# Altium PCB CarrierMotherboard.PcbDoc (part 4 of 6) (continued)
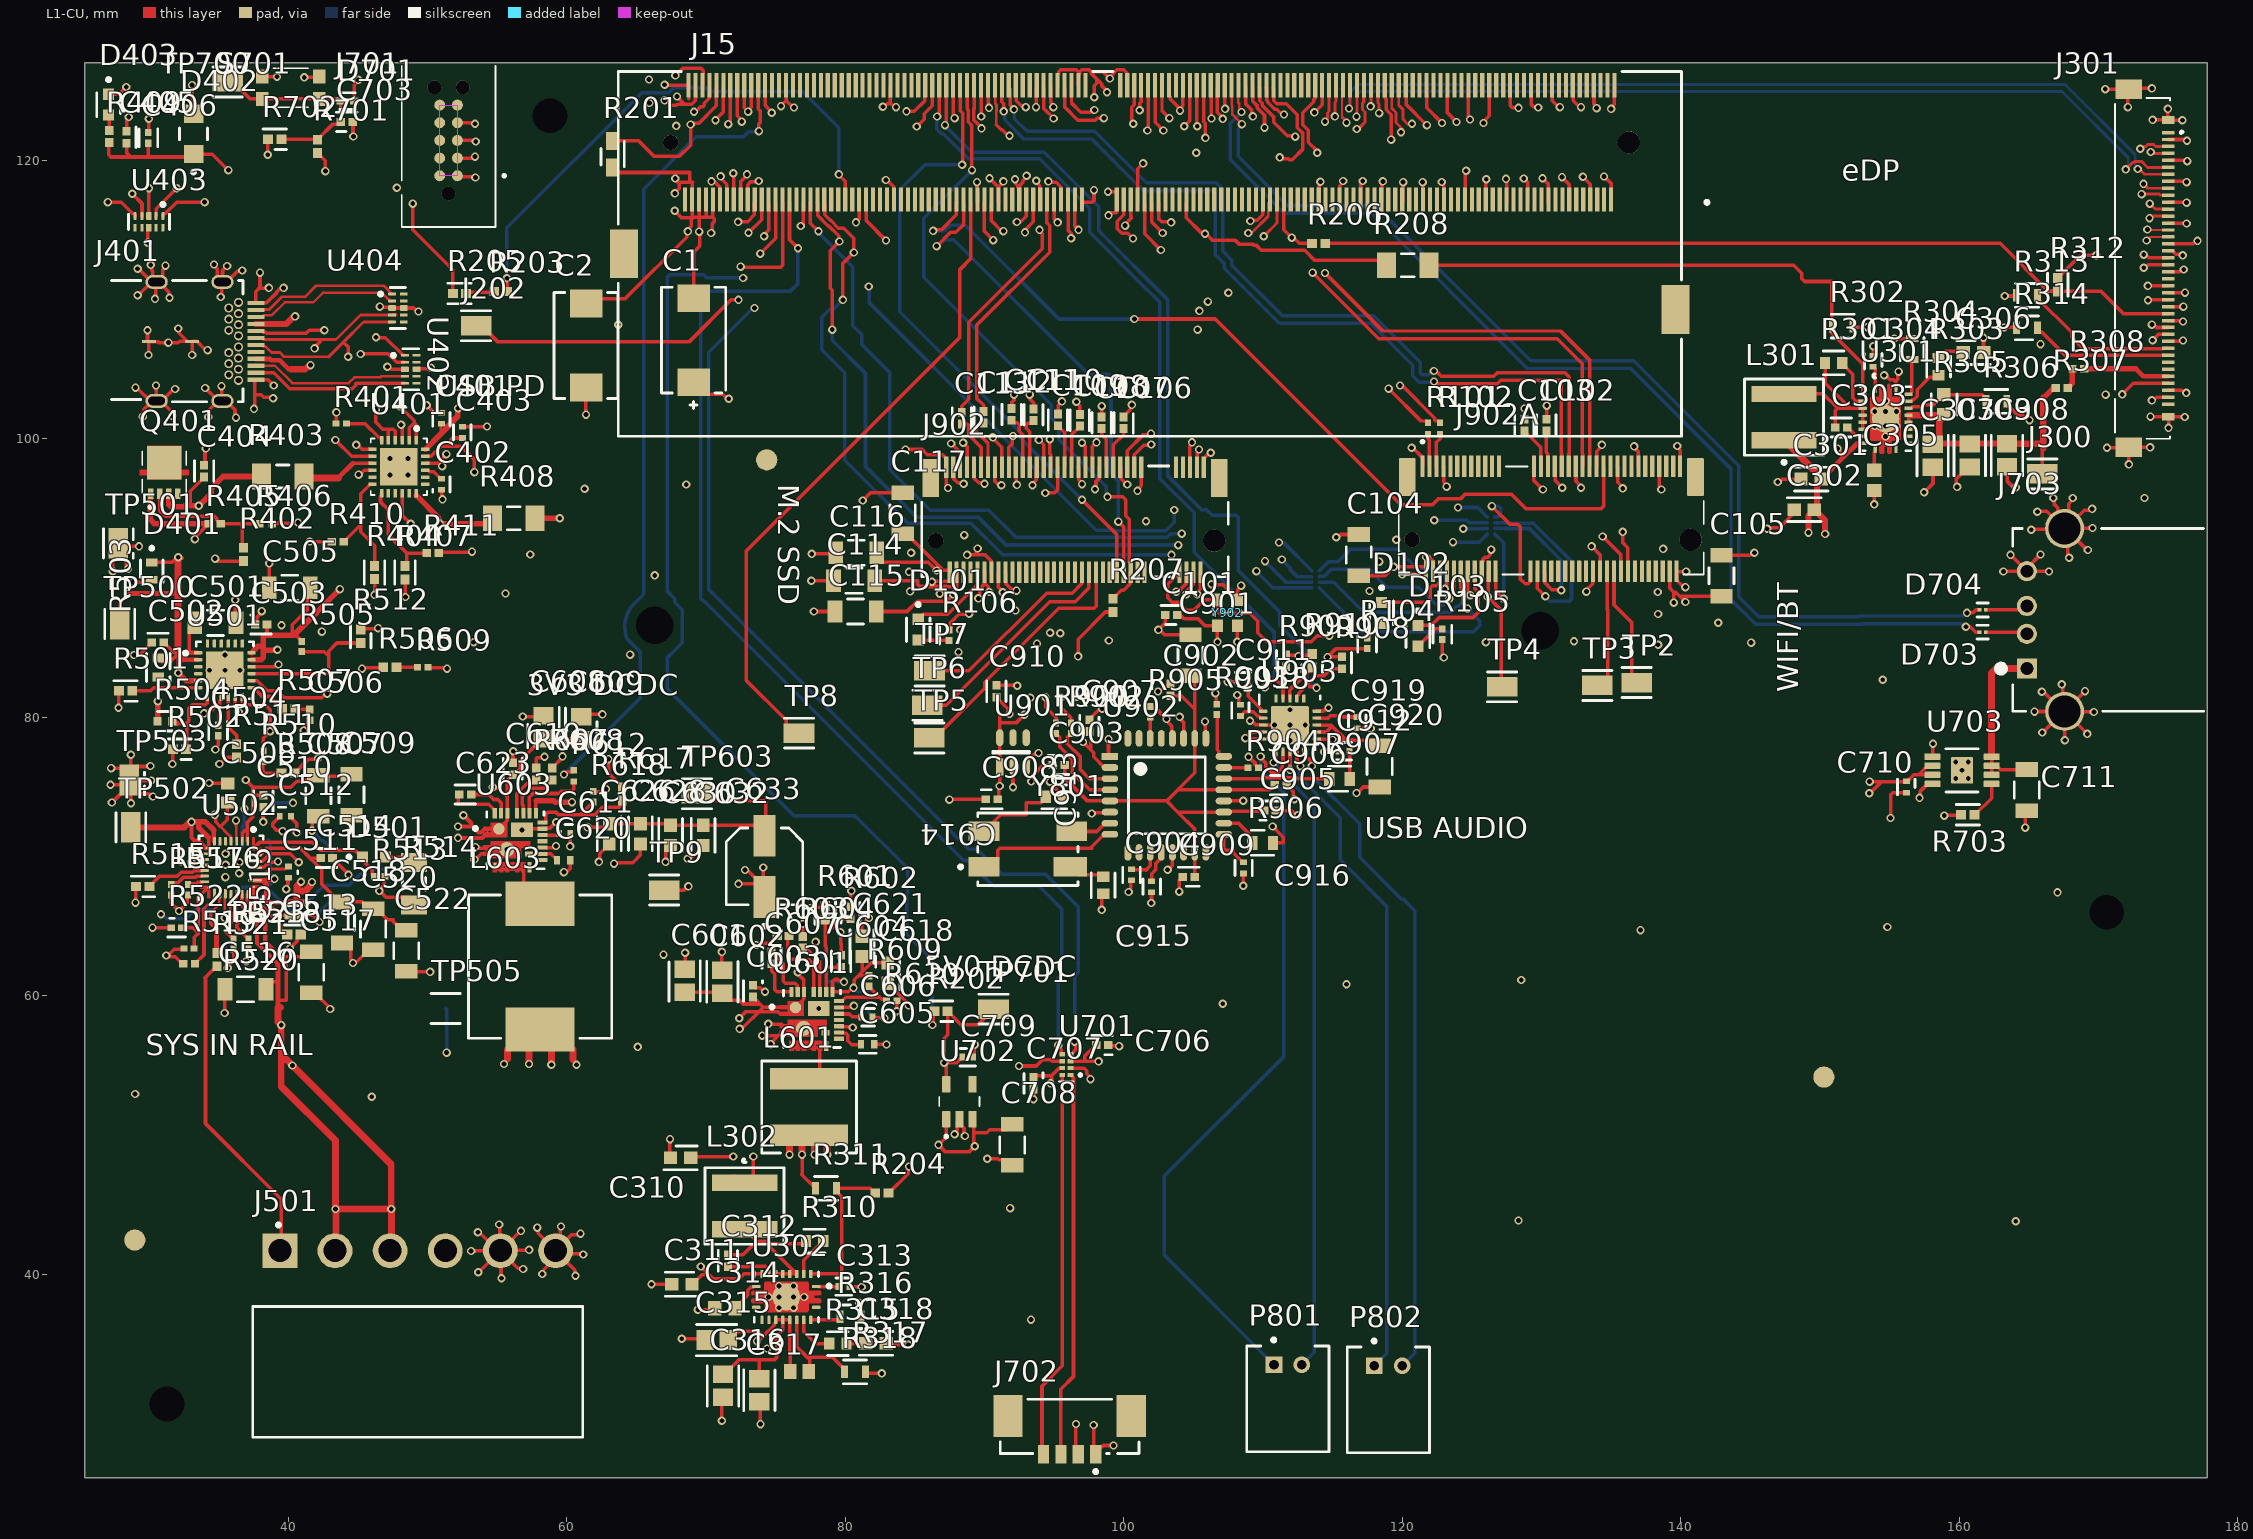
[diagram p0: L1-CU view]
## Nets (pads, with @x,y where several pads share a name; then routed paths per layer and width w, separated by ;. In a path a pad name is that pad's centre, name@x,y a point inside that pad or via, vN(x,y) a via of type N, cw(c..) or ccw(c..) an arc to the next point about the centre after c; other vN are vias at no path point) (continued)
; J15.55@121.75,125.2 121.75,123.792 v1(122.86,122.682) ; v1(122.839,118.449) 122.839,118.356 122.977,118.217 J15.50@122.977,117.023 ; J902A.7@122.958,98.034 122.976,98.015 122.976,96.878 123.19,96.664 v1(123.19,96.571) ; J15.49@123.25,125.2 123.25,123.409 v1(123.901,122.758) ; J15.44@124.5,117 124.523,117.023 124.523,119.189 v1(124.587,119.253) ; J15.43@124.75,125.2 124.75,123.146 124.866,123.03 v1(124.866,122.936) ; J902A.18@125.708,90.484 125.708,91.109 125.801,91.202 125.801,91.352 125.964,91.516 126.171,91.516 126.324,91.669 126.324,91.983 v1(126.39,92.05) ; v1(125.832,122.682) 125.832,122.776 126.25,123.194 J15.37@126.25,125.2 ; J15.38@126,117 126,118.609 v1(126.035,118.643) ; v1(127.457,118.669) 127.5,118.626 J15.32@127.5,117 ; J15.31@127.75,125.2 127.75,123.944 127.899,123.795 128.325,123.795 v1(128.346,123.774) ; v1(128.727,118.694) 129,118.421 J15.26@129,117 ; J15.25@129.25,125.2 129.25,124.015 129.399,123.866 129.702,123.866 v1(129.769,123.8) ; J902A.33@129.458,98.034 129.458,97.009 v1(130.099,96.368) ; v1(130.073,118.72) 130.5,118.293 J15.20@130.5,117 ; J15.19@130.75,125.2 130.773,125.177 130.773,124.289 131.237,123.825 v1(131.318,123.825) ; J902A.39@130.958,98.034 130.981,98.011 130.981,97.01 v1(131.496,96.495) ; v1(131.47,118.796) 132,118.266 J15.14@132,117 ; J15.13@132.25,125.2 132.273,125.177 132.273,124.289 132.67,123.891 132.776,123.891 v1(132.842,123.825) ; J902A.45@132.458,98.034 132.481,98.011 132.481,96.95 132.842,96.588 v1(132.842,96.495) ; v1(132.969,118.821) 133.5,118.29 J15.8@133.5,117 ; J15.7@133.75,125.2 133.773,125.177 133.773,124.029 133.96,123.842 v1(133.96,123.749) ; J902A.51@133.958,98.034 133.981,98.057 133.981,99.114 134.341,99.474 v1(134.341,99.568) ; v1(134.493,118.847) 135,118.34 J15.2@135,117 ; v1(135.001,123.698) 135.001,123.792 135.227,124.018 135.227,125.177 J15.1@135.25,125.2 ; J902A.57@135.458,98.034 135.481,98.011 135.481,96.896 135.839,96.537 v1(135.839,96.444) ; v1(136.652,99.466) 136.652,99.373 136.935,99.09 136.935,98.057 J902A.63@136.958,98.034 ; J902A.69@138.458,98.034 138.458,96.611 138.608,96.461 v1(138.608,96.368) ; v1(139.751,99.492) 139.751,99.398 139.958,99.191 J902A.75@139.958,98.034 ; 143.764,91.643 144.986,91.643 145.164,91.821 v1(145.288,91.821) ; v1(146.202,93.548) 146.256,93.602 147.066,93.602 C302.2@148.121,94.657 ; v1(146.964,96.901) 147.088,96.901 147.302,97.115 C301.2@148.64,97.115 ; C302.2@148.133,94.646 C302.2@148.257,94.77 ; C304.2@153.823,105.973 v1(153.822,106.655) ; C305.1@153.885,96.303 153.899,96.289 v1(153.899,95.301) ; v1(154.61,104.572) 154.703,104.572 155.029,104.246 155.306,104.246 155.455,104.097 ; v1(155.067,72.771) 155.067,74.451 155.216,74.6 C710.2@156.2,74.6 ; v1(155.346,107.213) 155.352,107.207 156.61,107.207 R304.1@156.616,107.201 ; U301.20@155.461,103.598 155.455,103.604 155.455,104.097 ; v1(155.651,104.826) 155.585,104.76 155.585,104.285 155.455,104.155 155.455,104.097 ; v1(157.48,96.164) 158.116,96.801 158.116,97.931 C307.2@158.318,98.133 ; U703.1@158.075,77.175 158.115,77.215 v1(158.115,78.105) ; v1(159.85,96.55) 159.796,96.604 159.796,97.121 160.656,97.98 C309.2@160.757,97.98 ; v1(161.742,107.258) 161.742,106.205 C306.2@161.749,106.198 ; v1(163.17,90.475) 163.182,90.487 164.843,90.487 J703.4@164.856,90.5 ; v1(163.22,108.001) 164.096,108.001 R314.1@164.121,107.975 ; v1(163.271,110.261) 164.067,110.261 R313.1@164.113,110.307 ; R306.2@163.412,102.692 163.412,102.492 164.193,101.711 164.561,101.711 164.925,101.346 v1(165.049,101.346) ; C308.2@163.435,97.986 163.435,96.978 163.829,96.584 163.994,96.584 v1(164.06,96.518) ; v1(163.678,91.669) 163.683,91.669 J703.4@164.851,90.5 ; v1(164.744,72.085) 164.744,73.203 C711.2@164.846,73.304 ; J703.4@164.856,90.432 J703.4@164.856,90.5 ; v1(165.176,93.472) 165.225,93.521 166.942,93.521 167.005,93.584 167.552,93.584 J703.6@167.566,93.57 ; v1(165.405,80.416) 165.412,80.423 167.559,80.423 J703.5@167.566,80.43 ; v1(165.608,94.767) 165.64,94.8 166.277,94.8 167.005,94.072 J703.6@167.005,93.57 ; v1(165.837,91.697) 164.856,90.717 J703.4@164.856,90.5 ; v1(165.938,81.839) 166.048,81.839 167.347,80.54 J703.5@167.347,80.43 ; v1(165.964,78.918) 166.009,78.918 J703.5@167.434,80.343 ; v1(166.446,90.475) 166.434,90.487 164.869,90.487 J703.4@164.856,90.5 ; v1(166.751,95.758) 166.838,95.671 166.838,95.288 167.079,95.048 167.079,94.541 167.566,94.054 J703.6@167.566,93.57 ; v1(167.361,82.372) 167.448,82.285 J703.5@167.448,80.548 ; v1(167.589,78.359) 167.578,78.371 167.578,80.418 J703.5@167.566,80.43 ; J703.5@167.635,80.488 167.635,80.494 169.031,81.89 v1(169.037,81.89) ; v1(167.894,91.465) 167.807,91.553 167.807,93.329 J703.6@167.566,93.57 ; J703.6@167.941,93.945 167.865,94.021 167.865,95.351 168.148,95.634 v1(168.148,95.758) ; J703.6@167.997,93.889 168.991,94.883 169.458,94.883 v1(169.545,94.971) ; J703.6@168.206,93.57 168.206,92.995 169.176,92.024 v1(169.24,92.024) ; J703.6@168.206,93.584 169.556,93.584 v1(169.57,93.599) ; v1(169.189,78.816) 169.185,78.816 167.571,80.43 J703.5@167.566,80.43 ; v1(169.672,80.391) 169.653,80.41 167.586,80.41 J703.5@167.566,80.43 ; v1(170.485,125.12) 172.16,125.12 J301.S2@172.18,125.1 ; v1(170.612,99.365) 172.145,99.365 J301.S4@172.18,99.4 ; v1(172.11,123.825) 172.11,125.03 J301.S2@172.18,125.1 ; v1(172.187,98.171) 172.187,99.393 J301.S4@172.18,99.4 ; v1@173.533,110.973 173.56,111 J301.23@175,111 ; v1(173.558,109.957) 173.602,110 J301.25@175,110 ; v1(173.711,99.39) 172.19,99.39 J301.S4@172.18,99.4 ; v1(173.736,101.6) J301.S3@175,101.6 ; v1(173.838,102.768) 173.961,102.768 174.193,103 J301.39@175,103 ; v1(173.838,108.204) 173.961,108.204 174.165,108 J301.29@175,108 ; v1(173.838,125.171) 172.251,125.171 J301.S2@172.18,125.1 ; v1(173.888,107.086) 174.302,107.5 J301.30@175,107.5 ; v1(173.888,122.911) 173.894,122.905 174.995,122.905 J301.S1@175,122.9 ; v1(174.981,123.698) 174.981,122.919 J301.S1@175,122.9 ; J301.38@175,103.5 175.979,103.5 176.178,103.302 v1(176.301,103.302) ; J301.31@175,107 175.002,107.002 176.014,107.002 v1(176.073,107.061) ; J301.28@175,108.5 175.002,108.498 176.007,108.498 v1(176.073,108.433) ; J301.26@175,109.5 176.047,109.5 176.149,109.499 v1@176.174,109.474 ; J301.24@175,110.5 v1(176.215,110.5) v1@176.225,110.49 ; J301.17@175,114 176.767,114 176.99,114.224 v1(177.114,114.224) ; J301.14@175,115.5 176.295,115.5 v1(176.327,115.468) ; J301.11@175,117 176.294,117 v1(176.327,116.967) ; J301.8@175,118.5 176.267,118.5 v1(176.327,118.44) ; J301.5@175,120 176.316,120 v1@176.428,119.888 ; J301.2@175,121.5 176.264,121.5 v1(176.352,121.412) ; v1(175.031,100.787) J301.S3@175.031,101.452 ; J301.S3@175.148,101.452 175.283,101.587 176.187,101.587 v1(176.2,101.575) ; v1(176.022,122.885) 176.015,122.893 175.007,122.893 J301.S1@175,122.9 ; 75.26,57.21 75.722,57.673 ; J703.4@164.851,90.5 J703.4@164.856,90.5 ; J703.4@164.851,90.5 J703.4@164.856,90.5
  L8-CU w0.254: v1(30.865,65.862) 30.959,65.862 31.278,65.543 32.684,65.543 33.332,66.191 C523.2@34.492,66.191 ; C524.2@35.47,63.833 35.47,62.287 35.662,62.095 v1(35.662,62.001) ; C521.2@36.707,70.766 36.707,72.166 36.859,72.319 v1(36.859,73.431) ; C525.2@38.714,73.763 38.813,73.863 v1(40.339,73.863) ; v1(41.711,71.857) 42.414,71.153 42.516,71.153 43.153,70.516 C519.2@43.153,69.6 ; TP505.1@51.3,59.1 51.375,59.025 v1(51.375,55.925) ; v1(77.876,63.881) 77.943,63.815 77.943,63.269 78.715,62.497 C616.2@78.715,62.474 ; C619.2@81.7,58.832 81.7,58.809 82.029,58.48 82.644,58.48 82.725,58.399 v1(82.819,58.399) ; v1@81.712,65.505 v1(81.712,65.599)
  other v1: 93.345,36.754 75.247,37.605 76.297,37.605 74.497,38.38 75.247,38.38 76.297,38.38 77.047,38.38 75.247,39.155 76.297,39.155 164.059,43.815 128.346,43.866 91.846,44.755 45.999,52.756 29.007,52.959 65.1,56.337 78.1,59.098 107.112,59.436 116.002,60.833 128.549,61.138 66.954,62.967 137.109,64.719 154.838,64.948 29.036,66.7 167.056,67.437 35.488,68.529 36.474,68.809 35.509,69.418 36.5,69.596 32.283,69.647 35.509,70.206 32.283,70.434 55.7,70.5 159.75,75.6 160.65,75.6 160.2,76.2 159.75,76.8 160.65,76.8 111.938,78.351 111.938,79.451 93.294,81.407 96.622,81.483 35.45,82.287 154.508,82.702 34.35,83.387 35.45,83.387 36.55,83.387 35.45,84.487 64.557,84.503 88.138,84.684 138.379,85.217 93.777,85.293 145.059,85.369 53.315,85.395 126.009,85.395 132.334,85.471 42.418,86.157 88.265,86.284 39.522,86.614 142.697,86.792 138.379,87.427 92.227,87.681 55.601,88.9 138.354,89.002 84.658,89.052 117.653,89.078 66.319,90.195 84.582,90.449 118.339,91.186 57.379,91.694 84.734,91.821 138.735,92.1 119.583,92.761 88.544,93.091 173.304,95.758 61.29,96.418 68.58,96.723 47.3,97.4 48.6,97.4 47.3,98.6 48.6,98.6 154.711,100.173 153.936,100.923 154.711,100.923 155.486,100.923 153.936,101.973 154.711,101.973 155.486,101.973 154.711,102.723 170.51,103.175 165.837,106.807 63.703,108.204 176.098,109.499 173.547,110.986 30.124,112.497 47.803,118.034 176.372,119.944 105.867,121.615 67.869,122.479 65.938,124.13 65.913,125.806
I2C_SCL_PD: J15.232 U401.7 | length 43.1
  L1-CU w0.254: v1(44.882,99.568) 44.976,99.568 45.294,99.25 U401.7@46.05,99.25 ; v1(72.492,112.37) 72.542,112.319 75.351,112.319 75.5,112.468 J15.232@75.5,117
  L6-CU w0.254: v1(44.882,99.568) 54.203,99.568 59.512,104.877 59.512,107.086 64.795,112.37 v1(72.492,112.37)
I2C_SDA_PD: J15.234 U401.8 | length 45.1
  L1-CU w0.254: v1(43.383,99.924) 44.557,98.75 U401.8@46.05,98.75 ; v1(73.9,113.3) 75,114.4 J15.234@75,117
  L6-CU w0.254: v1(43.383,99.924) 43.688,100.228 44.932,100.228 46.329,101.625 54.661,101.625 58.471,105.435 58.471,108.382 63.389,113.3 v1(73.9,113.3)
ILIM: R511.2 U501.10 | length 3.6
  L1-CU w0.254: U501.10@35.7,81.475 35.7,79.3 36.3,78.7 R511.2@36.3,78.075
IMON: C506.2 R507.1 | length 1.1
  L1-CU w0.254: R507.1@40.513,80.62 40.538,80.594 41.529,80.594 C506.2@41.554,80.569
INL+: C911.2 U903.1 | length 2.5
  L1-CU w0.254: C911.2@108.953,82.601 108.953,81.511 109.84,80.624 U903.1@109.84,80.458
INR+: C912.2 U903.15 | length 7.6
  L1-CU w0.254: U903.15@113.863,80.451 113.87,80.458 114.345,80.458 114.583,80.696 v1(114.706,80.696) ; v1(114.402,77.521) 114.426,77.545 115.388,77.545 C912.2@115.412,77.569
  L4-CU w0.254: v1(114.402,77.521) 115.748,77.521 115.897,77.67 115.897,77.88 115.875,77.902 115.875,80.547 115.726,80.696 v1(114.706,80.696)
INT1_3V3_AUDIO: 
INT2_3V3_AUDIO: 
INT3_3V3_AUDIO: 
INT4_3V3_AUDIO: 
INT_3V3_AUDIO: C901.1 C902.1 C903.1 C905.1 C906.1 C909.1 U902.5 U902.15 U902.19 U902.21 U902.26 | length 40.1
  L1-CU w0.254: C903.1@95.752,76.581 95.752,75.648 97.399,74 U902.5@99.009,74 103.083,74 ; C902.1@103.345,81.552 104.137,81.552 105.1,80.588 ; 103.883,74.8 U902.21@107.191,74.8 110.491,74.8 C906.1@110.824,75.133 ; U902.15@105.1,70.309 105.1,71.983 103.883,73.2 ; C901.1@105.1,82.686 105.1,80.588 ; C909.1@105.103,68.557 U902.15@105.103,70.306 ; U902.19@107.191,73.2 103.883,73.2 ; U902.19@107.236,73.244 C905.1@110.015,73.244 ; 103.083,74 105.1,76.017 U902.26@105.1,78.491 105.1,80.588 ; 103.083,74 103.883,73.2
INTO_TPS: C404.1 C501.1 C502.1 D401.1 Q401.3 R403.2 R503.2 R504.2 TP500.TP10 U501.1 U501.2 U501.5 | length 46.8
  L1-CU w0.254: TP500.TP10@27.9,86.7 27.9,88.2 28.6,88.9 ; D401.1@30.3,91.225 D401.1@30.2,91.125 31.631,91.125 32.006,91.5 v1(32.1,91.5) 32.166,91.434 v1@32.388,91.434 ; R504.2@30.615,79.731 R504.2@30.628,79.743 ; v1@30.628,81.144 v1(30.64,81.157) ; R503.2@30.664,84.263 30.927,84 31.525,84 32.163,84.637 31.815,84.637 31.092,85.361 C502.1@31.07,85.361 ; 32.491,95.123 32.568,95.199 ; 32.85,84.637 32.9,84.687 32.9,86.392 C501.1@33.298,86.79 ; 32.965,95.199 32.965,96.247 33.96,97.242 C404.1@33.96,97.263
  L1-CU w0.35: 28.6,88.9 32.1,88.9 ; 32.163,84.637 32.85,84.637 U501.1@33.537,84.637 ; 32.372,84.138 U501.2@33.537,84.138
  L1-CU w0.4: R504.2@30.628,79.743 v1@30.628,81.144 ; Q401.3@31.425,96.075 31.425,95.272 31.574,95.123 32.491,95.123 ; 32.163,84.637 32.163,84.347 ; 32.372,84.138 32.163,84.347 ; 32.568,95.199 v1(33.579,95.199) 34.486,96.107 34.486,96.459 35.328,97.3 R403.2@38.075,97.3 ; U501.5@33.537,82.637 32.663,82.637 v1(32.1,83.2) 32.138,83.238 32.138,83.38 32.163,83.404 32.163,84.347
  L1-CU w0.5: 32.1,84.7 32.1,88.9 v1(32.1,91.5)
  L4-CU w0.254: v1@32.1,83.106 v1(32.1,83.2)
  L4-CU w0.4: v1(30.64,81.157) 30.64,81.646 32.062,83.068 32.062,83.108 v1@32.1,83.108 ; v1(32.1,91.5) 32.1,94.479 32.82,95.199 v1(33.579,95.199)
LED1#: D102.1 J902A.6 | length 6.1
  L1-CU w0.254: D102.1@118.523,88.26 121.847,88.26 121.996,88.409 121.996,89.281 122.167,89.452 122.451,89.452 122.685,89.686 122.685,90.461 J902A.6@122.708,90.484
LED2#: D103.1 J902A.16 | length 7.8
  L1-CU w0.254: D103.1@121.13,86.609 122.087,86.609 122.651,87.173 125.099,87.173 125.445,87.519 125.445,89.004 125.208,89.241 J902A.16@125.208,90.484
M2_E_ALERT#: 
M2_E_I2C_CLK: J15.189 J902A.60 | length 75
  L1-CU w0.254: v1(85.141,122.428) 85.674,122.961 85.674,123.342 86.25,123.918 J15.189@86.25,125.2 ; v1(135.839,93.32) 135.839,92.558 136.208,92.189 J902A.60@136.208,90.484
  L3-CU-PWR w0.254: v1(85.141,122.428) 85.141,121.488 89.814,116.815 97.231,116.815 98.019,116.027 98.019,112.645 98.167,112.497 105.943,112.497 106.687,111.753 106.687,111.321 v1(107.518,110.49)
  L4-CU w0.254: v1(107.518,110.49) 107.518,109.488 107.188,109.158 107.188,108.28 122.53,92.939 122.53,92.71 123.038,92.202 123.038,92.198 123.266,91.97 123.901,91.97 124.082,92.151 124.358,92.151 125.781,93.574 126.136,93.574 126.165,93.602 134.785,93.602 135.068,93.32 v1(135.839,93.32)
M2_E_I2C_DAT: J15.191 J902A.58 | length 75.5
  L1-CU w0.254: v1(84.404,123.52) 84.959,123.52 85.727,124.289 85.727,125.177 J15.191@85.75,125.2 ; v1(134.391,92.989) 135.708,91.673 J902A.58@135.708,90.484
  L3-CU-PWR w0.254: v1(84.404,123.52) 83.312,122.428 83.312,121.336 84.963,119.685 84.963,114.325 91.44,107.848 v1(105.308,107.848)
  L4-CU w0.254: v1(105.308,107.848) 106.477,107.848 120.759,93.566 121.042,93.566 121.515,93.093 121.515,92.811 122.657,91.669 122.879,91.669 122.961,91.586 124.06,91.586 124.142,91.669 124.917,91.669 126.238,92.989 v1(134.391,92.989)
M2_E_PCM_CLK: J902A.8 RN101.1 | length 12.7
  L1-CU w0.254: v1(123.056,89.232) 123.056,89.34 123.185,89.468 123.185,90.461 J902A.8@123.208,90.484
  L8-CU w0.254: RN101.1@114.052,90.516 114.696,91.161 115.367,91.161 116.281,92.075 119.685,92.075 121.082,90.678 122.53,90.678 123.114,90.094 123.114,89.29 v1(123.056,89.232)
M2_E_PCM_IN: J902A.12 RN101.4 | length 17.6
  L1-CU w0.254: J902A.12@124.208,90.484 124.208,89.296 124.331,89.173 124.331,88.273 124.689,87.915 v1(124.689,87.808)
  L8-CU w0.254: RN101.4@114.052,89.316 114.052,89.3 116.815,86.536 116.815,86.306 116.963,86.157 125.12,86.157 125.552,86.589 125.552,86.944 v1(124.689,87.808)
M2_E_PCM_OUT: J902A.14 RN101.3 | length 14
  L1-CU w0.254: J902A.14@124.708,90.484 124.715,90.477 124.715,89.04 124.888,88.867 v1(124.888,88.773)
  L8-CU w0.254: RN101.3@114.052,89.716 115.084,89.716 117.246,87.554 123.469,87.554 123.901,87.986 124.043,87.986 124.831,88.773 v1(124.888,88.773)
M2_E_PCM_SYNC: J902A.10 RN101.2 | length 12.9
  L1-CU w0.254: v1(123.365,88.517) 123.365,88.624 123.708,88.966 J902A.10@123.708,90.484
  L8-CU w0.254: RN101.2@114.052,90.116 114.068,90.132 114.414,90.132 114.91,90.627 117.627,90.627 118.897,89.357 121.183,89.357 122.479,88.062 122.936,88.062 122.936,88.087 v1(123.365,88.517)
M2_E_UART_CTS: J902A.34 RN104.2 | length 13.5
  L1-CU w0.254: J902A.34@129.708,90.484 129.708,89.27 130.277,88.701 v1(130.277,88.697)
  L8-CU w0.254: RN104.2@126.661,93.974 127.495,93.974 127.52,93.949 129.419,93.949 132.156,91.211 132.156,88.49 132.007,88.341 130.598,88.341 130.277,88.663 v1(130.277,88.697)
M2_E_UART_RTS: J902A.36 RN104.3 | length 10.1
  L1-CU w0.254: J902A.36@130.208,90.484 130.231,90.461 130.231,89.686 130.739,89.178 131.37,89.178 v1(131.42,89.129)
  L8-CU w0.254: RN104.3@126.661,93.574 127.352,93.574 127.361,93.565 129.143,93.565 131.42,91.288 v1(131.42,89.129)
M2_E_UART_RXD: J902A.22 RN104.4 | length 7.1
  L1-CU w0.254: J902A.22@126.708,90.484 126.708,89.091 v1(127.279,88.519)
  L8-CU w0.254: RN104.4@126.661,93.174 126.661,93.157 127.279,92.539 v1(127.279,88.519)
M2_E_UART_TXD: J902A.32 RN104.1 | length 9.7
  L1-CU w0.254: v1(126.441,95.174) 127.737,93.878 128.274,93.878 128.48,93.672 128.48,89.937 128.825,89.591 129.036,89.591 129.185,89.74 129.185,90.461 J902A.32@129.208,90.484
  L8-CU w0.254: v1(126.441,95.174) 126.927,95.174 127.076,95.025 127.076,94.558 126.927,94.409 126.684,94.409 126.661,94.386 RN104.1@126.661,94.374
M2_E_UART_WAKE#: J902A.20 TP4.1 | length 8.8
  L1-CU w0.254: J902A.20@126.208,90.484 126.185,90.461 126.185,88.72 v1(126.136,88.671) 127.127,87.681 TP4.1@127.127,82.156
M2_E_W_DIS1: J902A.56 TP2.1 | length 8.6
  L1-CU w0.254: J902A.56@135.208,90.484 135.208,88.084 136.474,86.817 136.474,82.655 TP2.1@136.63,82.499
M2_E_W_DIS2: J902A.54 TP3.1 | length 8.6
  L1-CU w0.254: TP3.1@134.01,82.296 134.174,82.296 134.747,82.869 134.747,87.732 134.708,87.771 J902A.54@134.708,90.484
M2_M_ALERT#: J902.44 TP5.1 | length 18.6
  L1-CU w0.254: TP5.1@86.036,78.524 86.436,78.524 90.018,82.105 90.018,82.525 95.326,87.833 97.87,87.833 98.019,87.982 98.019,90.405 J902.44@98.003,90.421
M2_M_CLKREQ0#: J15.180 J902.52 | length 35.4
  L1-CU w0.254: v1(86.563,113.843) 87.565,114.845 87.946,114.845 88.5,115.399 J15.180@88.5,117 ; v1@99.593,94.082 100.003,93.672 J902.52@100.003,90.421
  L8-CU w0.254: v1(86.563,113.843) 86.665,113.843 87.135,114.313 87.795,114.313 97.485,104.623 98.937,104.623 99.085,104.474 99.085,97.511 99.619,96.977 v1(99.619,94.056)
M2_M_PERST#: J15.181 J902.50 | length 44.7
  L1-CU w0.254: J15.181@88.25,125.2 88.25,123.576 88.443,123.383 v1@88.443,119.736 ; v1(97.003,95.631) 99.503,93.131 J902.50@99.503,90.421
  L8-CU w0.254: v1(88.392,119.685) 85.725,119.685 83.922,117.881 83.922,109.119 92.607,100.434 92.607,100.027 v1(97.003,95.631)
M2_M_SMB_CLK: J902.40 TP7.1 | length 14.3
  L1-CU w0.254: TP7.1@86.055,83.337 88.875,83.337 94.463,88.925 96.295,88.925 96.98,89.61 96.98,90.398 J902.40@97.003,90.421
M2_M_SMB_DATA: J902.42 TP6.1 | length 16.2
  L1-CU w0.254: TP6.1@85.903,80.874 87.249,80.874 94.691,88.316 96.52,88.316 97.503,89.298 J902.42@97.503,90.421
MBIAS: C916.1 U902.17 | length 2.9
  L1-CU w0.254: U902.17@107.191,71.6 107.188,71.597 107.188,70.608 107.337,70.46 107.871,70.46 107.871,70.281 108.56,69.591 C916.1@108.61,69.591
MOD_SLEEP#: J15.178 TP8.TP8 | length 46.6
  L1-CU w0.254: TP8.TP8@76.683,78.867 76.34,78.867 75.767,79.44 75.767,79.782 72.898,82.652 72.898,91.948 88.24,107.29 88.24,112.166 89,112.927 J15.178@89,117
NetC102_1: C102.1 J15.172 | length 48.2
  L1-CU w0.249: C102.1@130.35,101.412 130.364,101.426 130.364,102.373 v1(130.378,102.387)
  L1-CU w0.254: J15.172@90.5,117 90.5,115.672 91.252,114.92 v1(91.358,114.92)
  L3-CU-PWR w0.102: v1(91.358,114.92) 91.375,114.903 91.375,114.527 95.945,109.957 104.99,109.957 105.082,110.048 105.5,110.048 105.652,109.897 106.003,109.897 v1(106.045,109.855)
  L6-CU w0.167: v1(106.045,109.855) 106.115,109.785 106.115,109.48 112.919,102.677 128.544,102.677 128.565,102.698 129.95,102.698 130.308,102.341 v1@130.397,102.341
NetC103_2: C103.2 J902A.35 | length 3
  L1-CU w0.249: C103.2@128.769,100.579 129.958,99.39 J902A.35@129.958,98.034
NetC106_2: C106.2 J902.49 | length 3.1
  L1-CU w0.249: J902.49@99.253,97.971 99.253,99.569 99.991,100.308 C106.2@99.991,100.752
NetC107_2: C107.2 J902.47 | length 2.9
  L1-CU w0.249: C107.2@98.418,100.752 98.418,100.308 98.753,99.973 J902.47@98.753,97.971
NetC108_2: C108.2 J902.37 | length 3.2
  L1-CU w0.254: J902.37@96.253,97.971 96.253,100.286 96.846,100.88 C108.2@96.846,100.913
NetC109_2: C109.2 J902.35 | length 3.2
  L1-CU w0.254: C109.2@95.274,100.946 95.274,100.912 95.753,100.433 J902.35@95.753,97.971
NetC110_2: C110.2 J902.25 | length 3.8
  L1-CU w0.249: J902.25@93.253,97.971 93.253,100.491 92.987,100.757 92.987,100.992 93.132,101.138 93.361,101.138 93.523,101.3 C110.2@93.523,101.31
NetC111_2: C111.2 J902.23 | length 3.8
  L1-CU w0.249: C111.2@91.95,101.337 91.95,101.326 92.112,101.164 92.341,101.164 92.487,101.019 92.487,100.55 92.753,100.284 J902.23@92.753,97.971
NetC112_2: C112.2 J902.13 | length 3.9
  L1-CU w0.249: C112.2@89.941,101.129 89.817,101.005 89.524,101.005 89.408,100.889 89.408,100.522 90.253,99.677 J902.13@90.253,97.971
NetC113_2: C113.2 J902.11 | length 3.9
  L1-CU w0.249: C113.2@88.369,101.057 88.78,101.057 88.859,100.978 88.859,100.295 89.753,99.401 J902.11@89.753,97.971
NetC198_1: C918.1 U903.2 | length 2
  L1-CU w0.254: C918.1@108.382,80.099 108.432,80.099 108.505,80.172 108.505,80.222 108.699,80.416 109.294,80.416 109.636,80.074 109.724,80.074 109.847,79.951 U903.2@110.013,79.951
NetC303_2: C303.2 U301.8 | length 1.4
  L1-CU w0.254: C303.2@151.965,100.813 151.986,100.813 152.594,100.205 153.054,100.205 U301.8@153.061,100.198
NetC304_1: C304.1 U301.1 | length 1.7
  L1-CU w0.254: C304.1@153.823,105.173 153.873,105.173 153.961,105.084 U301.1@153.961,103.598
NetC305_2: C305.2 U301.10 | length 1.6
  L1-CU w0.254: C305.2@153.885,97.753 153.885,99.055 153.961,99.132 U301.10@153.961,99.298
NetC306_1: C306.1 R303.2 | length 2.1
  L1-CU w0.254: R303.2@158.516,105.804 159.02,106.307 160.096,106.307 C306.1@160.296,106.108
NetC313_1: C313.1 U302.1 | length 1.4
  L1-CU w0.254: U302.1@78.095,39.124 C313.1@79.497,39.124
NetC314_1: C314.2 U302.10 | length 2.5
  L1-CU w0.254: C314.2@71.919,37.428 71.919,37.458 72.425,37.964 72.456,37.964 72.995,38.503 72.995,38.85 73.228,39.082 73.408,39.082 U302.10@73.449,39.123
NetC315_1: C318.1 R315.1 | length 1.4
  L1-CU w0.254: R315.1@80.086,35.026 81.457,35.026 C318.1@81.483,35.052
NetC402_1: C402.1 U401.21 | length 1.4
  L1-CU w0.254: U401.21@49.85,97.75 50.021,97.75 50.139,97.632 50.455,97.632 50.95,97.137 C402.1@51,97.137
NetC404_2: C404.2 R402.1 | length 11.6
  L1-CU w0.254: C404.2@33.96,98.12 34.023,98.184 34.023,99.251 v1(34.087,99.314) ; v1(34.75,91.4) 34.925,91.225 R402.1@36.8,91.225
  L3-CU-PWR w0.254: v1(34.087,99.314) 34.671,98.73 34.671,91.573 34.75,91.494 v1(34.75,91.4)
NetC504_1: C504.1 U501.9 | length 2.5
  L1-CU w0.254: C504.1@34.975,79.434 34.975,79.273 35.045,79.343 35.045,80.302 35.084,80.341 35.084,81.203 35.2,81.319 U501.9@35.2,81.475